# Altium PCB HEXCORE PCB.PcbDoc (part 1 of 2) (continued)
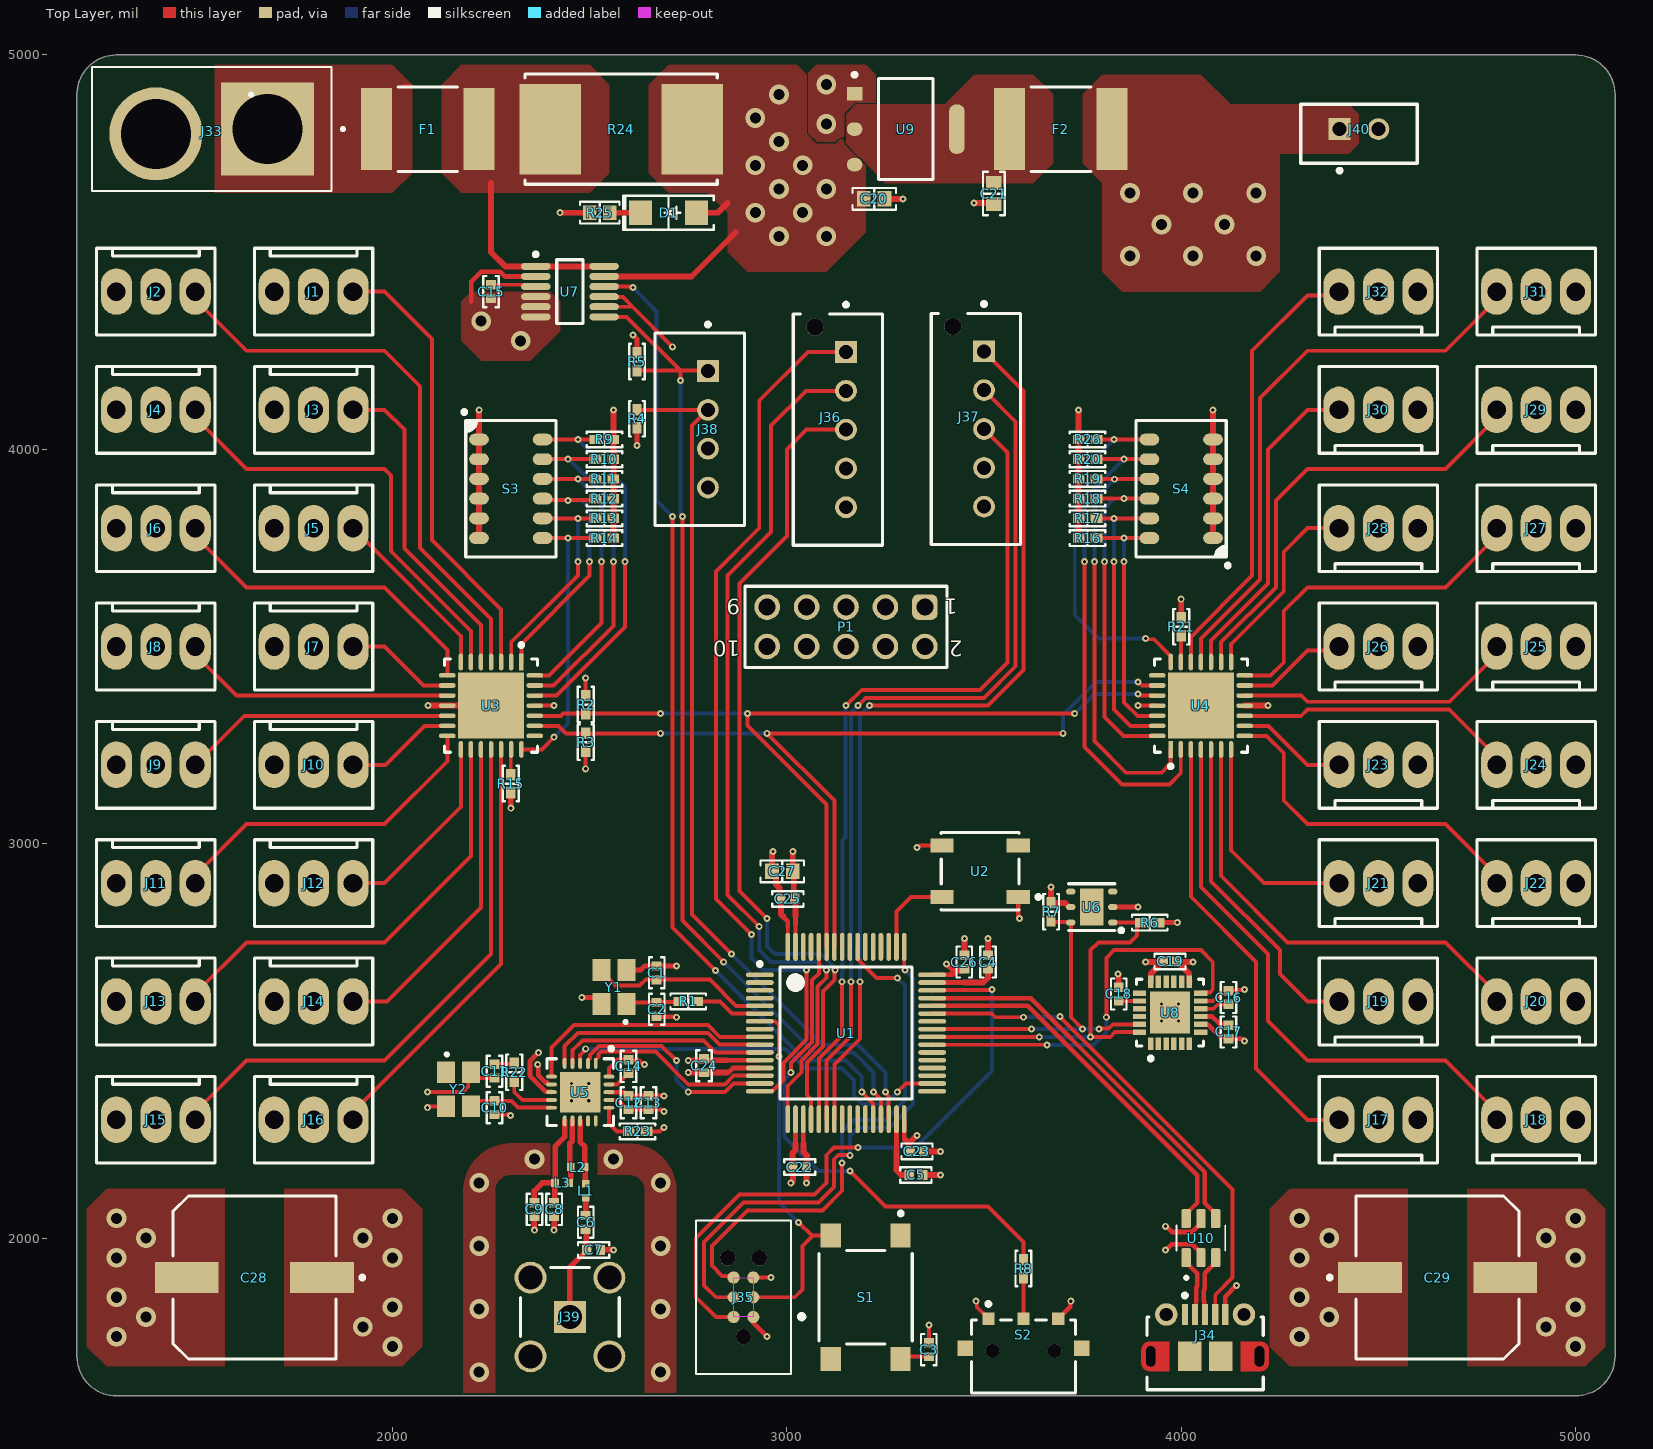
[diagram p0: Top Layer view]
## Components (designator, comment, footprint, x,y, rotation, side; value= is the part's Value field where it differs from the comment)
C1 "14p" "CAP 0402_1005" 2670,2672.68 r90 top
C2 "14p" "CAP 0402_1005" 2670,2580 r270 top
C3 "100n" "CAP 0402_1005" 3360,1717.32 r90 top
C4 "2n2" "CAP 0402_1005" 3510,2700 r270 top
C5 "2n2" "CAP 0402_1005" 3327.32,2160 r180 top
C6 "1p5" "CAP 0402_1005" 2490,2040 r90 top
C7 "1p" "CAP 0402_1005" 2510,1970 r180 top
C8 "2n2" "CAP 0402_1005" 2410,2072.68 r90 top
C9 "4p7" "CAP 0402_1005" 2360,2072.68 r90 top
C10 "14p" "CAP 0402_1005" 2258.83,2330.63 r270 top
C11 "14p" "CAP 0402_1005" 2258.83,2423.31 r270 top
C12 "10n" "CAP 0402_1005" 2598.83,2343.31 r90 top
C13 "1n" "CAP 0402_1005" 2648.83,2343.31 r90 top
C14 "33n" "CAP 0402_1005" 2598.83,2435.28 r270 top
C15 "100n" "CAP 0402_1005" 2250,4400 r90 top
C16 "100n" "CAP 0402_1005" 4120,2610 r270 top
C17 "10n" "CAP 0402_1005" 4120,2522.68 r270 top
C18 "2.2n" "CAP 0402_1005" 3841.65,2618.98 r270 top
C19 "100n" "CAP 0402_1005" 3971.65,2701.65 r0 top
C20 "22u" "CAP 0603_1608" 3221.57,4635 r180 top
C21 "22u" "CAP 0603_1608" 3525,4648.43 r90 top
C22 "100n" "CAP 0402_1005" 3032.68,2180 r0 top
C23 "100n" "CAP 0402_1005" 3330,2220 r180 top
C24 "100n" "CAP 0402_1005" 2790,2437.32 r270 top
C25 "100n" "CAP 0402_1005" 3002.68,2860 r180 top
C26 "100n" "CAP 0402_1005" 3450,2700 r270 top
C27 "10u" "CAP 0603_1608" 2988.43,2930 r180 top
C28 "EEE-1AA102P" FP-SG-MFG 1650,1900 r180 top
C29 "EEE-1AA102P" FP-SG-MFG 4650,1900 r0 top
D1 "Yellow" "LED 1206_3216 YELLOW" 2700,4600 r180 top
F1 "TLC-LSMD300" FP-2920L-MFG 2089.37,4812.01 r180 top value=0.015-0.048Ω
F2 "TLC-LSMD050" FP-2920L-MFG 3695,4812.01 r180 top value=0.015-0.048Ω
J1 "0022272031" "MOLEX KK 0022272031" 1800,4400 r180 top
J2 "0022272031" "MOLEX KK 0022272031" 1400,4400 r180 top
J3 "0022272031" "MOLEX KK 0022272031" 1800,4100 r180 top
J4 "0022272031" "MOLEX KK 0022272031" 1400,4100 r180 top
J5 "0022272031" "MOLEX KK 0022272031" 1800,3800 r180 top
J6 "0022272031" "MOLEX KK 0022272031" 1400,3800 r180 top
J7 "0022272031" "MOLEX KK 0022272031" 1800,3500 r180 top
J8 "0022272031" "MOLEX KK 0022272031" 1400,3500 r180 top
J9 "0022272031" "MOLEX KK 0022272031" 1400,3200 r180 top
J10 "0022272031" "MOLEX KK 0022272031" 1800,3200 r180 top
J11 "0022272031" "MOLEX KK 0022272031" 1400,2900 r180 top
J12 "0022272031" "MOLEX KK 0022272031" 1800,2900 r180 top
J13 "0022272031" "MOLEX KK 0022272031" 1400,2600 r180 top
J14 "0022272031" "MOLEX KK 0022272031" 1800,2600 r180 top
J15 "0022272031" "MOLEX KK 0022272031" 1400,2300 r180 top
J16 "0022272031" "MOLEX KK 0022272031" 1800,2300 r180 top
J17 "0022272031" "MOLEX KK 0022272031" 4500,2300 r0 top
J18 "0022272031" "MOLEX KK 0022272031" 4900,2300 r0 top
J19 "0022272031" "MOLEX KK 0022272031" 4500,2600 r0 top
J20 "0022272031" "MOLEX KK 0022272031" 4900,2600 r0 top
J21 "0022272031" "MOLEX KK 0022272031" 4500,2900 r0 top
J22 "0022272031" "MOLEX KK 0022272031" 4900,2900 r0 top
J23 "0022272031" "MOLEX KK 0022272031" 4500,3200 r0 top
J24 "0022272031" "MOLEX KK 0022272031" 4900,3200 r0 top
J25 "0022272031" "MOLEX KK 0022272031" 4900,3500 r0 top
J26 "0022272031" "MOLEX KK 0022272031" 4500,3500 r0 top
J27 "0022272031" "MOLEX KK 0022272031" 4900,3800 r0 top
J28 "0022272031" "MOLEX KK 0022272031" 4500,3800 r0 top
J29 "0022272031" "MOLEX KK 0022272031" 4900,4100 r0 top
J30 "0022272031" "MOLEX KK 0022272031" 4500,4100 r0 top
J31 "0022272031" "MOLEX KK 0022272031" 4900,4400 r0 top
J32 "0022272031" "MOLEX KK 0022272031" 4500,4400 r0 top
J33 "XT60" AMASS_XT60PB-M 1541.73,4812.01 r180 top
J34 "105017-0001" USB-MICRO-B_V 4060.63,1753.15 r0 top
J35 "TC2030-IDC-NL" TAG_TC2030-IDC-NL 2890,1850 r90 top
J36 "B5B-XH-AM(LF)(SN)" FP-B5B-XH-AM_LF_SN-MFG 3129.33,4050 r90 top
J37 "B5B-XH-AM(LF)(SN)" FP-B5B-XH-AM_LF_SN-MFG 3479.33,4051.57 r90 top
J38 "B4B-XH-A(LF)(SN)" FP-B4B-XH-A_LF_SN-MFG 2779.33,4050.79 r90 top
J39 "731000114" MOLX-731000114_V 2450,1800 r90 top
J40 "B2B-EH-A(LF)(SN)" FP-B2B-EH-A_LF_SN-MFG 4450.79,4800.2 r0 top
L1 "3n9" WE-TCI_0402 2490,2120 r270 top
L2 "8n2" WE-TCI_0402 2470,2180 r0 top
L3 "2n7" WE-TCI_0402 2430,2140 r180 top
P1 "61301021121" 61301021121 3150,3550 r180 top
R1 "0R" "RES 0402_1005" 2750,2600 r180 top
R2 "2K2" "RES 0402_1005" 2490,3352.64 r270 top
R3 "2K2" "RES 0402_1005" 2490,3257.36 r270 top
R4 "2K2" "RES 0402_1005" 2620,4077.36 r90 top
R5 "2K2" "RES 0402_1005" 2620,4222.64 r90 top
R6 "2K2" "RES 0402_1005" 3920,2800 r180 top
R7 "2K2" "RES 0402_1005" 3670,2827.36 r90 top
R8 "10K" "RES 0402_1005" 3600,1922.64 r270 top
R9 "10K" "RES 0402_1005" 2537.64,4025 r0 top
R10 "10K" "RES 0402_1005" 2537.64,3975 r0 top
R11 "10K" "RES 0402_1005" 2537.64,3925 r0 top
R12 "10K" "RES 0402_1005" 2537.64,3875 r0 top
R13 "10K" "RES 0402_1005" 2537.64,3825 r0 top
R14 "10K" "RES 0402_1005" 2537.64,3775 r0 top
R15 "10K" "RES 0402_1005" 2300,3152.36 r270 top
R16 "10K" "RES 0402_1005" 3762.36,3775 r180 top
R17 "10K" "RES 0402_1005" 3762.36,3825 r180 top
R18 "10K" "RES 0402_1005" 3762.36,3875 r180 top
R19 "10K" "RES 0402_1005" 3762.36,3925 r180 top
R20 "10K" "RES 0402_1005" 3762.36,3975 r180 top
R21 "10K" "RES 0402_1005" 4000,3550 r90 top
R22 "0R" "RES 0402_1005" 2308.83,2420.63 r270 top
R23 "22K" "RES 0402_1005" 2621.47,2270.63 r0 top
R24 "WSR3R0200FEA" FP-WSR3-MFG 2580,4812.01 r180 top
R25 "1K8" "RES 0603_1608" 2525.59,4600 r180 top
R26 "10K" "RES 0402_1005" 3762.36,4025 r180 top
S1 "PTS645SM43SMTR92LFS" FP-PTS645SM43SMTR92LFS-MFG 3200,1850 r270 top
S2 "JS102000SAQN" FP-JS102000SAQN-MFG 3600,1700 r0 top
S3 "218-6LPST" "CTS 218-6LPJ" 2300,3900 r0 top
S4 "218-6LPST" "CTS 218-6LPJ" 4000,3900 r180 top
U1 "STM32F405RGT6" STM-LQFP64_N 3150,2520 r0 top
U2 "1655" ADA-RGB-1655_V 3490,2930 r180 top
U3 "PCA9685BS,118" FP-SOT788-1-IPC_B 2250,3350 r270 top
U4 "PCA9685BS,118" FP-SOT788-1-IPC_B 4050,3350 r90 top
U5 "NRF24L01P-T" NRSC-QFN-20_L 2476,2370 r270 top
U6 "HPP845E031R4" "TE HPP845E031R4" 3773.15,2839.37 r180 top
U7 "LTC2945CMS#PBF" LT-MS-12_M 2450,4400 r0 top
U8 "MPU-6050" IS-QFN-24_V 3971.65,2571.65 r90 top
U9 "AMS1117-3.3" FP-AMS1117-IPC_C 3301.57,4812.01 r0 top
U10 "USBLC6-2SC6" SOT95P280X145-6N 4050,2000 r90 top
Y1 "830108207109" WE-XTAL_CFPX-180 2561.5,2636.69 r90 top
Y2 "830108207109" WE-XTAL_CFPX-180 2167.34,2377.32 r270 top

## Footprints (in the part's own frame and the unit in brackets; to place one, negate y for a bottom-side part, rotate by r counter-clockwise, add the part's x,y. Pads: shape width x height; smd on the part's side, far side on the other; paste and mask are expansions set on the pad)
61301021121 [mm] "Pin Header, pitch 2.54 mm, THT, Vertical, dual row, 10p"
  rrect50% 1.65x1.65 hole 1.1: 1(-5.08,-1.27)
  round 1.65 hole 1.1: 2(-5.08,1.27) 3(-2.54,-1.27) 4(-2.54,1.27) 5(0,-1.27) 6(0,1.27) 7(2.54,-1.27) 8(2.54,1.27) 9(5.08,-1.27) 10(5.08,1.27)
  silkscreen extent -6.5,-2.62 6.5,2.62, body extent -6.35,-2.54 6.35,2.54, height 8.59
ADA-RGB-1655_V [mm] "SMD, 4-Leads, Body 5x5mm"
  rect 1.5x0.9 smd: 1(-2.45,1.65) 2(-2.45,-1.65) 3(2.45,-1.65) 4(2.45,1.65)
  silkscreen extent -3.88,-2.5 2.5,2.5, body extent -2.7,-2.5 2.7,2.5, height 1.68
AMASS_XT60PB-M [mm]
  rect 6x6 / inner round 6 / far side rect 6x6 hole 4.5: 1(-3.6,0)
  round 6 hole 4.5: 2(3.6,0.305)
  silkscreen extent -8.55,-4 7.7,4, body extent -7.75,-4.05 7.75,4.05, height 16
"CAP 0402_1005" [mm] "Chip Capacitor, 2-Leads, Body 1.02x0.51mm, IPC Medium Density"
  rect 0.6x0.64 smd: 1(-0.44,0) 2(0.44,0)
  silkscreen extent -1,-0.5 1,0.5, body extent -0.5,-0.26 0.5,0.26, height 0.52
"CAP 0603_1608" [mm] "Chip Capacitor, 2-Leads, Body 1.60x0.80mm, IPC Medium Density"
  rect 0.9x1 smd: 1(-0.675,0) 2(0.675,0)
  silkscreen extent -1.4,-0.7 1.4,0.7, body extent -0.8,-0.41 0.8,0.41, height 0.82
"CTS 218-6LPJ" [mm] "DIP, 4 POS, Body 6.25x6.05mm, Pitch 1.27mm, IPC Medium Density"
  oval 1.27x0.76 smd: 1(-2.05,3.175) 2(-2.05,1.905) 3(-2.05,0.635) 4(-2.05,-0.635) 5(-2.05,-1.905) 6(-2.05,-3.175) 7(2.05,-3.175) 8(2.05,-1.905) 9(2.05,-0.635) 10(2.05,0.635) 11(2.05,1.905) 12(2.05,3.175)
  silkscreen extent -3.12,-4.39 2.9,5.06, body extent -3.15,-4.4 3.15,4.39, height 2.71
FP-2920L-MFG [mm]
  rect 2x5.3 smd paste+0 mask+0: 1(-3.3,0) 2(3.3,0)
  silkscreen extent -1.92,-2.72 1.92,2.72, body extent -4.4,-2.82 4.4,2.82, height 0.25
FP-AMS1117-IPC_C [mm]
  rect 1.004x0.872 smd paste+0 mask+0: 1(-3.295,2.29)
  rrect100% 1.004x0.872 smd paste+0 mask+0: 2(-3.295,0) 3(-3.295,-2.29)
  rrect87% 1.004x3.182 smd paste+0 mask+0: 4(3.295,0)
  silkscreen extent -3.42,-3.25 1.75,3.62, body extent -3.9,-3.35 3.9,3.35, height 0.25
FP-B2B-EH-A_LF_SN-MFG [mm]
  rect 1.4x1.4 hole 0.9 paste-1000 mask+0: 1(-1.25,0.3)
  round 1.4 hole 0.9 paste-1000 mask+0: 2(1.25,0.3)
  silkscreen extent -3.75,-2.5 3.75,1.9, body extent -3.85,-2 3.85,2, height 0.25
FP-B4B-XH-A_LF_SN-MFG [mm]
  rect 1.4x1.4 hole 0.9 paste-1000 mask+0: 1(3.75,-0.525)
  round 1.4 hole 0.9 paste-1000 mask+0: 2(1.25,-0.525) 3(-1.25,-0.525) 4(-3.75,-0.525)
  silkscreen extent -6.2,-2.88 6.87,2.88, body extent -6.3,-2.98 6.3,2.98, height 0.25
FP-B5B-XH-AM_LF_SN-MFG [mm]
  rect 1.4x1.4 hole 0.9 paste-1000 mask+0: 1(5,-0.525)
  round 1.4 hole 0.9 paste-1000 mask+0: 2(2.5,-0.525) 3(0,-0.525) 4(-2.5,-0.525) 5(-5,-0.525)
  round 1.1 hole 1.1 unplated paste-1000 mask+0: ""(6.6,1.475)
  silkscreen extent -7.45,-2.88 8.17,2.88, body extent -7.55,-2.98 7.55,2.98, height 0.25
FP-JS102000SAQN-MFG [mm]
  rect 0.8x0.8 smd paste+0 mask+0: 1(-2.25,2.43) 2(0,2.43) 3(2.25,2.43)
  rect 1x1 smd paste+0 mask+0: 4(-3.75,0.53) 5(3.75,0.53)
  round 0.9 hole 0.9 unplated paste-1000 mask+0: ""(-2,0.35) ""(2,0.35)
  silkscreen extent -3.35,-2.35 3.35,3.5, body extent -4.35,-2.45 4.35,2.93, height 0.25
FP-PTS645SM43SMTR92LFS-MFG [mm]
  rect 1.55x1.3 smd paste+0 mask+0: 1(-3.975,2.25) 2(3.975,2.25) 3(-3.975,-2.25) 4(3.975,-2.25)
  silkscreen extent -5.52,-3 3,3, body extent -4.85,-3.1 4.85,3.1, height 0.25
FP-SG-MFG [mm]
  rect 4.1x2 smd paste+0 mask+0: 1(-4.35,0) 2(4.35,0)
  silkscreen extent -7.07,-5.25 5.25,5.25, body extent -6.65,-5.5 6.65,5.5, height 0.25
FP-SOT788-1-IPC_B [mm]
  rect 1.081x0.292 smd paste+0 mask+0: 1(-2.816,1.95)
  rrect100% 1.081x0.292 smd paste+0 mask+0: 2(-2.816,1.3) 3(-2.816,0.65) 4(-2.816,0) 5(-2.816,-0.65) 6(-2.816,-1.3) 7(-2.816,-1.95) 15(2.816,-1.95) 16(2.816,-1.3) 17(2.816,-0.65) 18(2.816,0) 19(2.816,0.65) 20(2.816,1.3) 21(2.816,1.95)
  rrect100% 0.292x1.081 smd paste+0 mask+0: 8(-1.95,-2.816) 9(-1.3,-2.816) 10(-0.65,-2.816) 11(0,-2.816) 12(0.65,-2.816) 13(1.3,-2.816) 14(1.95,-2.816) 22(1.95,2.816) 23(1.3,2.816) 24(0.65,2.816) 25(0,2.816) 26(-0.65,2.816) 27(-1.3,2.816) 28(-1.95,2.816)
  rect 4.25x4.25 smd paste-1000 mask+0: 29(0,0)
  silkscreen extent -4.03,-3 3,3, body extent -3.61,-3.61 3.61,3.61, height 0.25
FP-WSR3-MFG [mm]
  rect 3.94x5.84 smd paste+0 mask+0: 1(-4.575,0) 2(4.575,0)
  silkscreen extent -6.19,-3.55 6.19,3.55, body extent -6.65,-3.65 6.65,3.65, height 0.25
IS-QFN-24_V [mm] "QFN, 24-Leads, Body 4x4mm, Pitch 0.5mm, Thermal Pad 2.7x2.6mm"
  rect 0.8x0.35 smd: 1(-2,1.25) 2(-2,0.75) 3(-2,0.25) 4(-2,-0.25) 5(-2,-0.75) 6(-2,-1.25) 13(2,-1.25) 14(2,-0.75) 15(2,-0.25) 16(2,0.25) 17(2,0.75) 18(2,1.25)
  rect 0.35x0.85 smd mask+0.102: 7(-1.25,-1.975) 8(-0.75,-1.975) 9(-0.25,-1.975) 10(0.25,-1.975) 11(0.75,-1.975) 12(1.25,-1.975) 19(1.25,1.975) 20(0.75,1.975) 21(0.25,1.975) 22(-0.25,1.975) 23(-0.75,1.975) 24(-1.25,1.975)
  rect 2.7x2.6 smd: 25(0,0)
  silkscreen extent -3.07,-2.15 2.15,2.15, body extent -2,-2 2,2, height 0.95
"LED 1206_3216 YELLOW" [mm] "Chip Diode, 2-Leads, Body 3.13x1.55mm, IPC Medium Density"
  rect 1.5x1.6 smd: 1(-1.8,0) 2(1.8,0)
  silkscreen extent -2.92,-1.1 2.92,1.1, body extent -1.6,-0.8 1.6,0.8, height 0.9
LT-MS-12_M [mm] "SOP, 12-Leads, Body 4.1x3.1mm, Pitch 0.65mm, IPC Low Density"
  oval 1.9x0.45 smd: 1(-2.2,1.625) 2(-2.2,0.975) 3(-2.2,0.325) 4(-2.2,-0.325) 5(-2.2,-0.975) 6(-2.2,-1.625) 7(2.2,-1.625) 8(2.2,-0.975) 9(2.2,-0.325) 10(2.2,0.325) 11(2.2,0.975) 12(2.2,1.625)
  silkscreen extent -2.32,-2.05 0.85,2.52, body extent -1.55,-2.05 1.55,2.05, height 1.1
"MOLEX KK 0022272031" [mm]
  oval 2x3 hole 1.2: 1(-2.54,0) 2(0,0) 3(2.54,0)
  silkscreen extent -3.81,-2.79 3.81,2.79, body extent -3.81,-2.9 3.81,2.9, height 11.7
MOLX-731000114_V [mm] "Connector, 5-Leads, Body 14.8x6.35mm, Pitch 2.54mm"
  rect 2.05x2.05 hole 1.54: 1(0,0)
  round 2.05 hole 1.54: 2(-2.54,2.54) 3(-2.54,-2.54) 4(2.54,-2.54) 5(2.54,2.54)
  silkscreen extent -1.26,-3.17 3.17,3.17, body extent -11.62,-3.17 3.18,3.18, height 9.57
NRSC-QFN-20_L [mm] "QFN, 20-Leads, Body 4x4mm, Pitch 0.5mm, Thermal Pad 2.6x2.6mm, IPC High Density"
  oval 0.7x0.25 smd: 1(-1.85,1) 2(-1.85,0.5) 3(-1.85,0) 4(-1.85,-0.5) 5(-1.85,-1) 11(1.85,-1) 12(1.85,-0.5) 13(1.85,0) 14(1.85,0.5) 15(1.85,1)
  oval 0.25x0.7 smd: 6(-1,-1.85) 7(-0.5,-1.85) 8(0,-1.85) 9(0.5,-1.85) 10(1,-1.85) 16(1,1.85) 17(0.5,1.85) 18(0,1.85) 19(-0.5,1.85) 20(-1,1.85)
  rect 2.6x2.6 smd: 21(0,0)
  silkscreen extent -2.92,-2.15 2.15,2.15, body extent -2,-2 2,2, height 0.95
"RES 0402_1005" [mm] "Chip Resistor, 2-Leads, Body 1.0x0.5mm, IPC Medium Density"
  rect 0.75x0.6 smd: 1(-0.575,0) 2(0.575,0)
  silkscreen extent -1.14,-0.51 1.14,0.51, body extent -0.5,-0.25 0.5,0.25, height 0.35
"RES 0603_1608" [mm] "Chip Resistor, 2-Leads, Body 1.60x0.80mm, IPC Medium Density"
  rect 0.85x0.95 smd: 1(-0.65,0) 2(0.65,0)
  silkscreen extent -1.27,-0.7 1.27,0.7, body extent -0.8,-0.4 0.8,0.4, height 0.45
SOT95P280X145-6N [mm]
  rrect25% 1.21x0.59 smd: 1(-1.255,0.95) 2(-1.255,0) 3(-1.255,-0.95) 4(1.255,-0.95) 5(1.255,0) 6(1.255,0.95)
  silkscreen extent -2.65,-1.57 0.81,1.57, body extent -1.4,-1.46 1.4,1.46, height 0.4
STM-LQFP64_N [mm] "Thin QFP, 64-Leads, Body 10x10mm, Pitch 0.5mm, IPC Medium Density"
  oval 1.8x0.3 smd: 1(-5.55,3.75) 2(-5.55,3.25) 3(-5.55,2.75) 4(-5.55,2.25) 5(-5.55,1.75) 6(-5.55,1.25) 7(-5.55,0.75) 8(-5.55,0.25) 9(-5.55,-0.25) 10(-5.55,-0.75) 11(-5.55,-1.25) 12(-5.55,-1.75) 13(-5.55,-2.25) 14(-5.55,-2.75) 15(-5.55,-3.25) 16(-5.55,-3.75) 33(5.55,-3.75) 34(5.55,-3.25) 35(5.55,-2.75) 36(5.55,-2.25) 37(5.55,-1.75) 38(5.55,-1.25) 39(5.55,-0.75) 40(5.55,-0.25) 41(5.55,0.25) 42(5.55,0.75) 43(5.55,1.25) 44(5.55,1.75) 45(5.55,2.25) 46(5.55,2.75) 47(5.55,3.25) 48(5.55,3.75)
  oval 0.3x1.8 smd: 17(-3.75,-5.55) 18(-3.25,-5.55) 19(-2.75,-5.55) 20(-2.25,-5.55) 21(-1.75,-5.55) 22(-1.25,-5.55) 23(-0.75,-5.55) 24(-0.25,-5.55) 25(0.25,-5.55) 26(0.75,-5.55) 27(1.25,-5.55) 28(1.75,-5.55) 29(2.25,-5.55) 30(2.75,-5.55) 31(3.25,-5.55) 32(3.75,-5.55) 49(3.75,5.55) 50(3.25,5.55) 51(2.75,5.55) 52(2.25,5.55) 53(1.75,5.55) 54(1.25,5.55) 55(0.75,5.55) 56(0.25,5.55) 57(-0.25,5.55) 58(-0.75,5.55) 59(-1.25,5.55) 60(-1.75,5.55) 61(-2.25,5.55) 62(-2.75,5.55) 63(-3.25,5.55) 64(-3.75,5.55)
  silkscreen extent -5.67,-4.25 4.25,4.57, body extent -5,-5 5,5, height 1.6
TAG_TC2030-IDC-NL [mil]
  round 30.98 smd paste-39.37: 1(-50,-25) 2(-50,25) 3(0,-25) 4(0,25) 5(50,-25) 6(50,25)
  round 39.02 hole 39.02 unplated: ""(-100,0) ""(100,-40) ""(100,40)
  Keep-Out Layer region: 50,-25.03 -50.06,-25.03 -50.06,25 50,25
  silkscreen extent -195,-154 195,120
"TE HPP845E031R4" [mm] "SMT, 6-Leads, Body 3.0x3.0mm, Pitch 1.0mm, IPC Medium Density"
  oval 0.6x0.4 smd: 1(-1.35,1) 2(-1.35,0) 3(-1.35,-1) 5(1.35,0) 6(1.35,1)
  oval 0.6x0.4 smd paste+0: 4(1.35,-1)
  rect 1.5x2.4 smd: 7(0,0)
  silkscreen extent -2.02,-1.5 1.5,1.62, body extent -1.5,-1.5 1.5,1.5, height 0.9
USB-MICRO-B_V [mm] "USB, MICRO B, Body 7.491x4.695 mm, Pitch 0.65 mm"
  rect 0.4x1.35 smd: 1(-1.3,1.35) 2(-0.65,1.35) 3(0,1.35) 4(0.65,1.35) 5(1.3,1.35)
  round 1.45 hole 0.85: 6(-2.5,1.35) 7(2.5,1.35)
  rrect50% 0x0 hole 0.6 slot 1.3 at 90 deg: 8(-3.5,-1.35) 11(3.5,-1.35)
  rect 1.5x1.9 smd: 9(-1,-1.35) 10(1,-1.35)
  Top Layer circle w0.5: c-3.6,-1.8 r0.25
  Top Layer circle w0.5: c-3.6,-0.9 r0.25
  Top Layer circle w0.5: c3.6,-1.8 r0.25
  Top Layer circle w0.5: c3.6,-0.9 r0.25
  Top Layer region: -3.6,-1.8 -3.6,-0.9 -4.1,-0.9 -4.1,-1.8
  Top Layer region: 3.6,-0.9 3.6,-1.8 4.1,-1.8 4.1,-0.9
  Top Layer region: 2.3,-0.4 2.3,-2.3 3.6,-2.3 3.6,-0.4
  Top Layer region: -2.3,-2.3 -2.3,-0.4 -3.6,-0.4 -3.6,-2.3
  silkscreen extent -3.75,-3.5 3.75,2.7, body extent -4.1,-3.9 4.1,1.5, height 2.67
WE-TCI_0402 [mm] "Thinfilm Chip Inductor, 2-leads, body 1.00x0.50mm"
  rect 0.5x0.5 smd: 1(-0.45,0) 2(0.45,0)
  body extent -0.5,-0.25 0.5,0.25, height 0.32
WE-XTAL_CFPX-180 [mm] "Quartz Crystal, size CFPX-180, body 3.4x2.7mm"
  rect 1.4x1.15 smd: 1(-1.1,-0.8) 2(1.1,-0.8) 3(1.1,0.8) 4(-1.1,0.8)
  silkscreen extent -2.35,-0.85 -2.15,-0.65, body extent -1.7,-1.35 1.7,1.35, height 0.65

## Part data
C1 C2 C10 C11: library part GJM1555C1H140GB01D, "CAP CER 14PF 50V C0G/NP0 0402", Part Number=GJM1555C1H140GB01D
C3 C15 C16 C19: library part CL05B104KP5VPNC, "CAP CER 100NF 10V X7R 0402", Part Number=CL05B104KP5VPNC
C4 C5 C18 C22 C23 C24 C25 C26: library part C0402C222J3GEC7867, "CAP CER 0402 2.2NF 25V C0G 5%", Part Number=C0402C222J3GEC7867
C6 C7 C8 C9 C12 C13: library part C0402C103K4REC7867, "CAP CER 0402 10NF 16V X7R 10%", Capacitance="10000 pF", Device Package="0402 (1005 Metric)", manufacturer=KEMET, Operating Temperature="-55°C ~ 125°C", Supplier Part Number 1=399-C0402C103K4REC7867CT-ND, Temperature Coefficient=X7R, Tolerance=±10%, Voltage - Rated=16V, Applications="ESD Protection", componentlink1description=Datasheet, componentlink1url=https://connect.kemet.com:7667/gateway/IntelliData-ComponentDocumentation/1.0/download/datasheet/C0402C103K4REC7867, componentlink2description="DigiKey Link", componentlink2url=https://www.digikey.com/en/products/detail/kemet/C0402C103K4REC7867/8643577, lastupdated="23/01/2024 8:03:47 PM", Lifecycle Status=Active, Minimum Order=1, Mounting Type="Surface Mount, MLCC", Package / Case="0402 (1005 Metric)", packaging=TapeAndReel, Part Number=C0402C103K4REC7867, Part Status=Active, partid=52124, price=0.01, series="ESD SMD Comm X7R", Size / Dimension="0.039\" L x 0.020\" W (1.00mm x 0.50mm)", Supplier 1=DigiKey, Thickness (Max)="0.022\" (0.55mm)"
C14: library part C0402C330J4RACAUTO, "CAP CER 33PF 16V X7R 0402", Capacitance="33 pF", Device Package="0402 (1005 Metric)", manufacturer=KEMET, Operating Temperature="-55°C ~ 125°C", Ratings=AEC-Q200, Supplier Part Number 1=399-13708-1-ND, Temperature Coefficient=X7R, Tolerance=±5%, Voltage - Rated=16V, Applications="Automotive, Bypass, Decoupling", componentlink1description=Datasheet, componentlink1url=https://api.kemet.com/component-edge/download/datasheet/C0402C330J4RACAUTO.pdf, componentlink2description="DigiKey Link", componentlink2url=https://www.digikey.com/en/products/detail/kemet/C0402C330J4RACAUTO/6219618, lastupdated="23/01/2024 8:04:40 PM", Lifecycle Status=Active, Minimum Order=1, Mounting Type="Surface Mount, MLCC", Package / Case="0402 (1005 Metric)", packaging=TapeAndReel, Part Number=C0402C330J4RACAUTO, Part Status=Active, partid=1721, price=0.01, series="SMD Auto X7R", Size / Dimension="0.039\" L x 0.020\" W (1.00mm x 0.50mm)", Supplier 1=DigiKey, Thickness (Max)="0.022\" (0.55mm)"
C17: library part C0402C103J5RECAUTO, "CAP CER 0402 10NF 50V X7R 5%", Part Number=C0402C103J5RECAUTO
C20 C21: library part CL10A226MPCNUBE, "CAP CER 22UF 10V X5R 0603", Part Number=CL10A226MPCNUBE
C27: library part GRM188R60J106ME47D, "CAP CER 10UF 6.3V X5R 0603", Part Number=GRM188R60J106ME47D
C28 C29: library part CMP-00287-55501125-1, "EEE-1AA102P Aluminum Electrolytic Capacitor, 1000 uF, 10 V, ± 20%, 2000 hours @ 85°C, Radial Can - SMD", Capacitance=1mF, Case/Package=Radial, Leakage Current=3µA, Max Operating Temperature=85°C, Min Operating Temperature=-40°C, Ripple Current=580mA, Tolerance=20%, Voltage=10V, Contact Plating=Tin, Diameter=10mm, Height=10.2mm, Height - Seated (Max)=10.2108mm, Lead Free="Lead Free", Length=10.5mm, Life (Hours)=2000hours, Lifecycle Status=Production, Mount="PCB, Surface Mount", NexarPartId=55501125, packaging="Cut Tape", Radiation Hardening=No, REACH SVHC=Unknown, Ripple Current (AC)=580mA, RoHS=Compliant, Schedule B="8532220020, 8532220020", Termination=SMD/SMT, Voltage Rating=10V, Voltage Rating (DC)=10V
D1: library part 5990240007F, "LED YELLOW 1206 SMD", Current - Test=20mA, Device Package="1206 (3216 Metric)", Lens Color=0.80mm, manufacturer=Dialight, Millicandela Rating=126mcd, Supplier Device Package=1206, Supplier Part Number 1=350-4363-1-ND, Voltage - Forward (Vf) (Typ)=2.1V, Color=Yellow, componentlink1description=Datasheet, componentlink1url=http://www.dialightsignalsandcomponents.com/Assets/Brochures_And_Catalogs/Indication/CBI_SMD_new/Dialight_CBI_data_599-1206_Apr2018.pdf, componentlink2description="DigiKey Link", componentlink2url=https://www.digikey.com/en/products/detail/dialight/5990240007F/9385418, Configuration=Standard, Height (Max)=0.80mm, lastupdated="27/01/2024 9:27:52 PM", Lens Size="2.00mm x 1.60mm", Lens Style="Rectangle with Flat Top", Lifecycle Status=Active, Minimum Order=1, Mounting Type="Surface Mount", Package / Case="1206 (3216 Metric)", packaging=TapeAndReel, Part Number=5990240007F, Part Status=Active, partid=1, price=0.04, series=599, Size / Dimension="3.20mm L x 1.60mm W", Supplier 1=DigiKey, Viewing Angle=140°, Wavelength - Dominant=590nm
F1 F2: library part CMP-2000-05550-2, "PTC RESET FUSE 15V 3A 2920", Ambient Temperature Range High=+85°C, Ambient Temperature Range Low=-40°C, Current Rating=40A, Hold Current=3A, manufacturer=Littelfuse, Manufacturer Part Number=2920L300/15DR, Package=2920L, Resistance=0.015-0.048Ω, Temperature="-40°C to +85°C", Trip Current=5A, Voltage Rating=15V, Automotive=No, Category=Fuse, componentlink2description=Datasheet, componentlink2url=https://m.littelfuse.com/~/media/electronics/datasheets/resettable_ptcs/littelfuse_ptc_2920l_datasheet.pdf.pdf, Device Class L1="Circuit Protection", Device Class L2="PTC Resettable Fuses", Device Class L3=unset, Digikey Description="PTC RESET FUSE 15V 3A 2920", Height=1.25mm, Lead Free=Yes, Octopart=https://octopart.com/2920l300%2F15dr-littelfuse-673797, RoHS=TRUE, Temperature Range High=+85°C, Temperature Range Low=-40°C, Trip Time=20s
J1 J2 J3 J4 J5 J6 J7 J8 J9 J10 J11 J12 J13 J14 J15 J16 J17 J18 J19 J20 J21 J22 J23 J24 J25 J26 J27 J28 J29 J30 J31 J32: "CONN HEADER VERT 3POS 2.54MM", Part Number=0022272031
J33: library part XT60_YELLOW, "Power connector; 65A; PIN: 2; Colour: yellow", Package=None, Availability="Not in stock", Check_prices=https://www.snapeda.com/parts/XT60%20YELLOW/Pololu/view-part/?ref=eda, MF=Pololu, MP="XT60 YELLOW", price=None, SnapEDA_Link=https://www.snapeda.com/parts/XT60%20YELLOW/Pololu/view-part/?ref=snap
J34: library part CMP-2000-05827-1, "Micro-USB B Receptacle, Right Angle, Bottom Mount, Surface Mount, with Solder Tabs, -30 to 85 degC, 5-Pin USB, RoHS, Tape and Reel", manufacturer=Molex, Package Description="5-Leads USB, Micro B, Body 7.5 x 5 mm, Pitch 0.65 mm", Package Reference=MICRO-B, Package Version="Rev. F, 12/2012", Standard Package=1, Voltage - Max=30V, 3D Model=105017-0001.stp, Catalog Drawings=1050170001, Category=Connectors,Interconnects, Circuits=5, Connector Type=USB-microB, Datasheet URL=http://www.molex.com/elqNow/elqRedir.htm?ref=http://www.molex.com/webdocs/datasheets/pdf/en-us/1050170001_IO_CONNECTORS.pdf, Datasheet Version=03/2016, Family=USB,DVI,HDMIConnectors, Featured Product=Micro-USBConnectorsUSBConnectors, Features=Shielded,SolderRetention, Gender=Receptacle, Ingress Protection=-, Manufacturer URL=http://www.molex.com/, Mating Products=WM17145-ND-CABLEMICROUSBBTOSTDA1.0MWM17147-ND-CABLEMICROUSBBTOSTDA2.0MWM17146-ND-CABLEMICROUSBBTOSTDA1.5M, Mounting Technology=SurfaceMount, Mounting Type=BoardCutout,SurfaceMount,RightAngle, Number of Contacts=5, Online Catalog=Molex-MicroUSB, Other Names=WM1399DKR, Package URL=http://www.molex.com/pdm_docs/sd/1050170001_sd.pdf, packaging=Digi-Reel®, PCN Assembly/Origin=ResinSupplier21/Oct/2015, RoHS Information=1050170001CertofCompliance, series=-, Specifications=-
J35: "CABLE ADAPTER 6 POS", Package=None, Availability=Unavailable, MP=TC2030-IDC-NL, price=None
J36 J37: library part CMP-17439-000304-1, "CONN HEADER VERT 5POS 2.5MM", Color=Green, Contact Resistance=20mR, Flammability Rating="UL94 V-0", Housing Color=White, Insulation Color=Natural, Max Current Rating=3A, Max Operating Temperature=85°C, Max Voltage Rating (AC)=250V, Min Operating Temperature=-25°C, Connector Type=Header, Contact Finish - Mating=TIN, Contact Material=Brass, Contact Plating=Copper, Contact Shape=Square, Contact Type="Male Pin", Depth=5.75mm, Fastening Type=Detent, Housing Material=Polyamide, Insulation Material=Nylon, Lead Free="Lead Free", Length=14.9mm, Mated Stacking Heights=9.8mm, Mount="Through Hole", Number of Positions=5, Number of Rows=1, Orientation=Straight, packaging=Bulk, Pitch=2.5mm, series=XH, Termination=Solder, Voltage Rating=250V
J38: library part CMP-17439-000250-1, "CONN HEADER VERT 4POS 2.5MM", Color=Natural, Contact Resistance=20mR, Current Rating=3A, Flammability Rating="UL94 V-0", Housing Color=White, Insulation Resistance=1GR, Max Operating Temperature=85°C, Max Voltage Rating (AC)=250V, Min Operating Temperature=-25°C, Package Quantity=500, Connector Type=Header, Contact Finish - Mating=TIN, Contact Material=Brass, Contact Plating=Tin, Contact Shape=Square, Contact Type="Male Pin", Depth=5.75mm, Fastening Type=Detent, Gender=Male, Housing Material=Polyamide, Insulation Color=Natural, Insulation Material=Nylon, Lead Free="Lead Free", Lead Pitch=2.5mm, Length=12.4mm, Mated Stacking Heights=9.8mm, Material=Polyamide, Max Current Rating=3A, Max Voltage Rating (DC)=250V, Mount="Through Hole", Number of Contacts=4, Number of Positions=4, Number of Rows=1, Orientation=Straight, packaging=Bulk, Pitch=2.5mm, REACH SVHC="No SVHC", series=XH, Termination=Solder, Voltage Rating=250V, Voltage Rating (AC)=250V, Wire/Cable Gauge=22AWG
J39: library part CMP-2000-05487-1, "SMA Right-Angle PCB Jack Receptacle, Brass Body, Gold Plated, 50 Ohm, 5-Pin THD, RoHS, Tray", manufacturer=Molex, Package Description="5-Pin Through Hole Device, Body 14.8 x 6.35 mm, Pitch 2.54 mm", Datasheet URL=http://www.molex.com/webdocs/datasheets/pdf/en-us/0731000114_RF_COAX_CONNECTORS.pdf, Datasheet Version=09/2016, Manufacturer URL=http://www.molex.com/, Mounting Technology=ThroughHole, Package Reference=731000114, Package URL=http://www.molex.com/pdm_docs/sd/731000114_sd.pdf
J40: library part CMP-17439-000026-1, "CONN HEADER VERT 2POS 2.5MM", Color=Natural, Contact Resistance=20mR, Current Rating=3A, Housing Color=White, Max Operating Temperature=85°C, Max Voltage Rating (AC)=250V, Min Operating Temperature=-25°C, Connector Type=Plug, Contact Material="Copper Alloy", Contact Mating Length=0.13inch, Contact Plating=Tin, Contact Type="Male Pin", Depth=3.8mm, Fastening Type=Detent, Gender=Male, Housing Material=Nylon, Lead Free="Lead Free", Length=7.5mm, Max Current Rating=3A, Mount="Through Hole", Number of Contacts=2, Number of Positions=2, Number of Rows=1, Orientation=Straight, packaging=Bulk, Pitch=2.5mm, series=EH, Termination=Press-Fit, Voltage Rating=250V
L1 L2 L3: library part CMP-03913-14415878-1, "744901039 Fixed Ind 3.9NH 340MA 500MOHM Sm", Case Code (Imperial)=0402, Case Code (Metric)=1005, Current Rating=340mA, DC Resistance (DCR)=370mΩ, Inductance=3.9nH, Max Operating Temperature=125°C, Min Operating Temperature=-40°C, Self Resonant Frequency=6GHz, Test Frequency=500MHz, Case/Package=0402, Composition="Thin Film", Core Material=Alumina, Height=320µm, Height - Seated (Max)=406.4µm, Length=1mm, Max DC Current=340mA, Mount="Surface Mount", NexarPartId=14415878, Number of Pins=2, packaging=Digi-Reel®, Q Factor=13, REACH SVHC=Unknown, RoHS=Compliant, Shielding=Unshielded, Termination=SMD/SMT, Weight=652.039032µg, Width=500µm
P1: library part CMP-1502-01084-2, Color=Black, Contact Resistance=20mΩ, Current Rating=3A, Flammability Rating="UL94 V-0", Insulation Resistance=1GΩ, Max Operating Temperature=105°C, Min Operating Temperature=-40°C, Operating Supply Voltage=250V, Connector Type="Male Pin", Contact Gender=Male, Contact Material=Copper, Contact Mating Length=5.9944mm, Contact Plating=Gold, Gender=Male, Height=2.54mm, Housing Material=PBT, Insulation=Insulated, Lead Pitch=2.54mm, Length=12.7mm, Mount="Through Hole", NexarPartId=18818163, Number of Contacts=10, Number of Pins=10, Number of Positions=10, Number of Rows=2, Orientation=Vertical, packaging=Bulk, Pitch=2.54mm, REACH SVHC=Unknown, RoHS=Compliant, Row Spacing=2.54mm, Termination="Through Hole", Voltage Rating=250V, Width=12.7mm
R1 R22: library part 5112, "0402 JUMPER ON TAPE AND REEL", Part Number=5112
R2 R3 R4 R5 R6 R7 R8: library part RP73PF1E10KBTD, "RES 10K OHM 0.1% 1/10W 0402", Part Number=RP73PF1E10KBTD
R9 R10 R11 R12 R13 R14 R15 R16 R17 R18 R19 R20 R21 R26: library part CPF0402B10KE, "RES SMD 10K OHM 0.1% 1/16W 0402", Part Number=CPF0402B10KE
R23: library part RC0402FR-0722K1L, "RES 22.1K OHM 1% 1/16W 0402", Device Package="0402 (1005 Metric)", manufacturer=Yageo, Operating Temperature="-55°C ~ 155°C", Power (Watts)="0.063W, 1/16W", Resistance="22.1 kOhms", Supplier Device Package=0402, Supplier Part Number 1=311-22.1KLRCT-ND, Temperature Coefficient=±100ppm/°C, Tolerance=±1%, componentlink1description=Datasheet, componentlink1url=https://www.yageo.com/upload/media/product/productsearch/datasheet/rchip/PYu-RC_Group_51_RoHS_L_10.pdf, componentlink2description="DigiKey Link", componentlink2url=https://www.digikey.com/en/products/detail/yageo/RC0402FR-0722K1L/726563, Composition="Thick Film", Features="Moisture Resistant", Height - Seated (Max)="0.016\" (0.40mm)", lastupdated="23/01/2024 8:29:15 PM", Lifecycle Status=Active, Minimum Order=1, Number of Terminations=2, Package / Case="0402 (1005 Metric)", packaging=CutTape, Part Number=RC0402FR-0722K1L, Part Status=Active, partid=2641, price=0.01, series=RC_L, Size / Dimension="0.039\" L x 0.020\" W (1.00mm x 0.50mm)", Supplier 1=DigiKey
R24: library part CMP-00030-39853526-1, "WSR3R0200FEA Res Metal Strip 4527 0.02 Ohm 1% 3W ±75ppm/°C Molded SMD SMD Embossed Plastic T/R", Case Code (Imperial)=4527, Max Operating Temperature=275°C, Max Power Dissipation=3W, Min Operating Temperature=-65°C, Resistance=20mΩ, Temperature Coefficient=75ppm/°C, Tolerance=1%, Voltage Rating (DC)=240mV, Case/Package=4527, Composition="Metal Element", Contact Plating="Silver, Tin", Depth=6.98mm, Features="Automotive AEC-Q200, Moisture Resistant", Height=2.41mm, Lead Free="Lead Free", Length=11.56mm, Military Standard=Not, NexarPartId=39853526, Number of Terminations=2, packaging="Cut Tape", Power Rating=3W, Radiation Hardening=No, REACH SVHC="No SVHC", RoHS=Compliant, Schedule B="8533210045, 8533210045", Termination=SMD/SMT, Width=6.98mm
R25: library part RMCF0603JT1K80, "RES 1.8K OHM 5% 1/10W 0603", Device Package="0603 (1608 Metric)", manufacturer="Stackpole Electronics Inc", Operating Temperature="-55°C ~ 155°C", Power (Watts)="0.1W, 1/10W", Ratings=AEC-Q200, Resistance="1.8 kOhms", Supplier Device Package=0603, Supplier Part Number 1=RMCF0603JT1K80CT-ND, Temperature Coefficient=±200ppm/°C, Tolerance=±5%, componentlink1description=Datasheet, componentlink1url=https://www.seielect.com/catalog/sei-rmcf_rmcp.pdf, componentlink2description="DigiKey Link", componentlink2url=https://www.digikey.com/en/products/detail/stackpole-electronics-inc/RMCF0603JT1K80/1758097, Composition="Thick Film", Features="Automotive AEC-Q200", Height - Seated (Max)="0.022\" (0.55mm)", lastupdated="27/01/2024 8:36:44 PM", Lifecycle Status=Active, Minimum Order=1, Number of Terminations=2, Package / Case="0603 (1608 Metric)", packaging=CutTape, Part Number=RMCF0603JT1K80, Part Status=Active, partid=5907, price=0.01, series=RMCF, Size / Dimension="0.061\" L x 0.031\" W (1.55mm x 0.80mm)", Supplier 1=DigiKey
S1: library part CMP-2000-05160-2, "SWITCH TACTILE SPST-NO 0.05A 12V", Case/Package=SMD/SMT, Color=Black, Contact Resistance=100mR, Current Rating=50mA, Max Operating Temperature=60°C, Max Voltage Rating (DC)=12V, Min Operating Temperature=-20°C, Operating Force=160gf, Package Quantity=1, Actuator Length=0.85mm, Actuator Material=Nylon, Actuator Type=Standard, Contact Material=Silver, Contact Plating=Silver, Depth=9mm, Illumination Type=Non-Illuminated, Lead Free="Lead Free", Length=6mm, Max Current Rating=50mA, Mechanical Life=100000Cycles, Mount="Surface Mount", Orientation=Straight, packaging="Tape and Reel", REACH SVHC="No SVHC", Switch Function=Off-Mom, Termination="Gull Wing", Throw Configuration=SPST, Voltage Rating (DC)=12V
S2: library part CMP-10038-000025-1, "SWITCH SLIDE SPDT 1MA 5V", Actuator Color=Black, Case/Package=SMD/SMT, Contact Current Rating=1mA, Contact Resistance=70mR, Flammability Rating="UL94 V-2", Max Operating Temperature=85°C, Max Voltage Rating (DC)=5V, Min Operating Temperature=-20°C, Package Quantity=1, Actuator Length=1.5mm, Actuator Material=Nylon, Actuator Type=Standard, Contact Material="Copper Alloy", Contact Plating=Silver, Current Rating=1mA, Depth=4.82mm, Electrical Life=15000Cycles, Housing Material=Nylon, Length=7.8mm, Max Current Rating=1mA, Mount="Surface Mount", Orientation="Right Angle", packaging="Tape and Reel", Radiation Hardening=No, REACH SVHC="No SVHC", RoHS Compliant=Yes, series=JS, Switch Function=On-On, Switch Travel=1.5mm, Termination="Gull Wing", Throw Configuration=SPDT, Voltage Rating (DC)=5V
S3 S4: "SWITCH SLIDE DIP SPST 25MA 24V", Part Number=218-6LPST
U1: library part CMP-0243-00019-3, "ARM Cortex-M4 32-bit MCU+FPU, 210 DMIPS, 1024 kB Flash, 192 kB Internal RAM, 51 I/Os, 64-pin LQFP, -40 to 85 degC, Tray", I/Os (High Current)=51, manufacturer=STMicroelectronics, Operating Frequency(F) (Processor speed) (MHz)=168, Supply Voltage(Vcc) max (V)=3.6, Supply Voltage(Vcc) min (V)=1.8, componentlink1description="Manufacturer URL", componentlink1url=http://www.st.com/web/en/home.html, componentlink2description=Datasheet, componentlink2url=http://www.st.com/st-web-ui/static/active/en/resource/technical/document/datasheet/DM00037051.pdf, ComponentLink3Description="Package Specification", ComponentLink3URL=http://www.st.com/st-web-ui/static/active/en/resource/technical/document/datasheet/DM00037051.pdf, Core="ARM Cortex-M4", D/A Converter=2x12-bit, DatasheetVersion="Rev. 4", FLASH Size (Prog) (kB)=1024, Internal RAM Size (kB)=192, Mounting Technology="Surface Mount", PackageDescription="64-Pin Low Profile Quad Flat Package, 10 x 10 mm Body, 0.5 mm Pitch", PackageReference=LQFP64, PackageVersion="Rev. 4, 06/2013", Packing=Tray, PartNumber=STM32F405RGT6
U2: library part CMP-2000-05026-1, "Intelligent Control LED Integrated Light Source, 3.5 to 5.3 V, -25 to 80 degC, 4-Pin SMD, RoHS, Tape and Reel", Color=Red,Green,Blue(RGB), manufacturer=Adafruit-Industries-LLC, Package Description="4-Pin Surface Mount Device, Body 5 x 5 mm", Category=Optoelectronics, Configuration=Discrete, Controller Type=-, Datasheet URL=http://datasheet.octopart.com/ADA1655-Adafruit-Industries-datasheet-32028139.pdf, Datasheet Version=May-13, Family=Addressable,Specialty, Interface=-, Manufacturer URL=https://www.adafruit.com/, Mounting Type=SurfaceMount, Number of LEDs=10, Package Reference=1655, series=Neopixel, Size / Dimension=5.00mmLx5.00mmW, Utilized LED=WS2812(5050)
U3 U4: library part CMP-1595-00001-4, "IC LED DRVR LIN DIM 25MA 28HVQFN", Case/Package=VQFN, Frequency=50MHz, Max Operating Temperature=85°C, Min Operating Temperature=-40°C, Output Voltage=5.5V, Package Quantity=4000, Contact Plating=Gold, Mount="Surface Mount", Number of Outputs=16, Number of Pins=28, packaging="Tape and Reel", Radiation Hardening=No, RoHS Compliant=Yes
U5: library part CMP-2000-06859-1, "Single Chip Transceiver, 2.4 GHz, 60 mW, 1.9 to 3.6 V, -40 to 85 degC, 20-Pin QFN, RoHS, Tray", Current - Receiving=12.6mA~13.5mA, Current - Transmitting=7mA~11.3mA, Frequency=2.4GHz, manufacturer="Nordic Semiconductor", Operating Temperature=-40°C~85°C, Package / Case=20-VFQFNExposedPad, Package Description="20-Pin Quad Flat No-lead Package, Body 4 x 4 mm, Pitch 0.5 mm", Package Reference=QFN20, Power - Output=0dBm, Standard Package=490, Voltage - Supply=1.9V~3.6V, Category=RF/IFandRFID, Data Rate (Max)=2Mbps, Datasheet URL=http://www.nordicsemi.com/eng/content/download/2726/34069/file/nRF24L01P_Product_Specification_1_0.pdf, Datasheet Version="Rev. 1.0, 09/2008", Design Resources=DevelopmentToolSelector, Family=RFTransceiverICs, For Use With=1490-1002-ND-KITEVALUATIONNRF24L01P1568-1295-ND-SPARKFUNTRANSCEIVERBREAKOUT-1568-1296-ND-SPARKFUNTRANSCEIVERBREAKOUT-1471-1410-ND-DEVBOARDNRFSCLICKNRF24L01P-MODULE-PCB-ND-KITEVALNRF24L01+PCBANTENNANRF24L01P-MODULE-SMA-ND-KITEVALNRF24L01+SMACONNNRF24L01P-UPGRADE-ND-UPGRADE2PCB/1SMANRF24L01103990038-ND-DEVDUINOSENSORNODEV1.3103990053-ND-DEVDUINOSENSORNODEV2(ATMEGA103990074-ND-DEVDUINOSENSORNODE106990026-ND-ENERGYMONITORSHIELDV2113990088-ND-WIRELESSGATESHIELD113990095-ND-DEVDUINOSENSORNODEV3(ATMEGA106030001-ND-ENERGYMONITORSHIELD1597-1361-ND-DEVDUINOSENSORNODEV2.2(ATMEG105990030-ND-RGBWSTRIPWIRELESSSHIELDV1.0, GPIO=-, Manufacturer URL=http://www.nordicsemi.com/eng/Products/, Memory Size=-, Modulation=GFSK, Mounting Technology=SurfaceMount, Online Catalog=nRF24L01+, Other Names=1490-1019, packaging=Tray, Protocol=-, RF Family/Standard=GeneralISM>1GHZ, Sensitivity=-94dBm, Serial Interfaces=SPI, series=-, Type=TxRxOnly
U6: "SENSOR HUMID/TEMP 3V I2C 2% SMD", Part Number=HPP845E031R4
U7: library part CMP-0482-00795-1, "Wide Range I2C Power Monitor, 12-pin SOP (MS-12), 0 to 70 degC, Pb-Free", manufacturer="Linear Technology", componentlink1description="Manufacturer URL", componentlink1url=http://www.linear.com/, componentlink2description=Datasheet, componentlink2url=http://cds.linear.com/docs/en/datasheet/2945f.pdf, ComponentLink3Description="Package Specification", ComponentLink3URL=http://cds.linear.com/docs/en/packaging/05081668_A_MS12.pdf, Mounting Technology="Surface Mount", Number of Supplies(#)=1, PackageDescription="12-Pin Plastic MSOP, Body 4.039 x 3 mm, Pitch 0.65 mm", PackageReference=MS-12, PackageVersion="Rev. A, 05/2013", PartNumber=LTC2945CMS#PBF, RoHS=TRUE
U8: library part CMP-1753-00002-2, "3-Axis Gyroscope, Accelerometer and a Digital Motion Processor(TM) (DMP), 2.375 to 3.46 V, -40 to 85 degC, 24-Pin QFN, RoHS, Tape and Reel", manufacturer=InvenSense, Standard Package=5,000, Category=Sensors,Transducers, Datasheet URL=http://datasheet.octopart.com/MPU-6050-InvenSense-datasheet-14421344.pdf, Datasheet Version="Rev. 3.3, 05/2012", Dynamic Catalog=MPU-6000™Series, Family=Multifunction, Featured Product=MPU-60506-Axis,IntegratedI²CSolution, Manufacturer URL=http://www.invensense.com/, Online Catalog=MPU-6000™Series, Other Names="1428-1007-2 / MPU6050", Output Type=Digital, Sensor Type=MotionTracking, Unit PriceUSD=Digital
U9: library part CMP-209535-000001-1, "LDO Voltage Regulators 1A, 3.3V", Dropout Voltage=1.1V, manufacturer="Advanced Monolithic Systems", Max Junction Temp=+125°C, Max Power Dissipation=1.2W, Max Supply Voltage=15V, Nominal Supply Current=5mA, Output Current=1A, Output Voltage=3.3V, Package=AMS1117, Temperature="-40°C to +125°C", Temperature Range Low=-40°C, Automotive=No, Category=IC, componentlink2description=Datasheet, componentlink2url=http://www.advanced-monolithic.com/pdf/ds1117.pdf, Device Class L1="Integrated Circuits (ICs)", Device Class L2="Power Management ICs", Device Class L3="Voltage Regulators - Linear", Height=1.8mm, Ipc Land Pattern Name=SOT229P700X180-4, Lead Free=Yes, Manufacturer Part Number=AMS1117-3.3, Number of Outputs=1, Octopart=https://octopart.com/ams1117-3.3-advanced+monolithic+systems-25899300, Output Type=Fixed, RoHS=TRUE, Standoff Height=0.64mm, Temperature Range High=+125°C
U10: "17V Clamp 5A (8/20Âµs) Ipp Tvs Diode Surface Mount SOT-23-6", Package="SOT-23-6 STMicroelectronics", Availability="In Stock", Check_prices=https://www.snapeda.com/parts/USBLC6-2SC6/STMicroelectronics/view-part/?ref=eda, MF=STMicroelectronics, MP=USBLC6-2SC6, price=None, Purchase-URL=https://pricing.snapeda.com/search/part/USBLC6-2SC6/?ref=eda, SnapEDA_Link=https://www.snapeda.com/parts/USBLC6-2SC6/STMicroelectronics/view-part/?ref=snap
Y1 Y2: library part CMP-03913-116855757-1, "830108207109 WE-XTAL Quartz Crystal", Frequency=16MHz, Max Operating Temperature=85°C, Min Operating Temperature=-40°C, Height=800µm, Length=3.2mm, NexarPartId=116855757, Width=2.5mm

## Via types
v1: diameter 17.72, hole 7.87, Top Layer to Bottom Layer, 140 vias
v2: diameter 50, hole 28, Top Layer to Bottom Layer, 57 vias
v3: diameter 19.68, hole 7.87, Top Layer to Bottom Layer, 8 vias

## Nets (pads, with @x,y where several pads share a name; then routed paths per layer and width w, separated by ;. In a path a pad name is that pad's centre, name@x,y a point inside that pad or via, vN(x,y) a via of type N, cw(c..) or ccw(c..) an arc to the next point about the centre after c; other vN are vias at no path point)
1A0: R9.1 S3.12 U3.26 | length 960.4
  Top Layer w10: U3.26@2360.85,3375.59 2415.59,3375.59 2590,3550 v1(2590,3715) ; S3.12@2380.71,4025 v1(2470,4025) R9.1@2515,4025
  Bottom Layer w10: v1(2470,4025) 2590,3905 v1(2590,3715)
1A1: R10.1 S3.11 U3.27 | length 867.3
  Top Layer w10: U3.27@2360.85,3401.18 2408.82,3401.18 2560,3552.36 v1(2560,3715) ; S3.11@2380.71,3975 v1(2445,3975) R10.1@2515,3975
  Bottom Layer w10: v1(2445,3975) 2446.67,3975 2560,3861.67 v1(2560,3715)
1A2: R11.1 S3.10 U3.28 | length 748.5
  Top Layer w10: U3.28@2360.85,3426.77 2396.77,3426.77 2530,3560 v1(2530,3715) ; S3.10@2380.71,3925 v1(2470,3925) R11.1@2515,3925
  Bottom Layer w10: v1(2470,3925) 2530,3865 v1(2530,3715)
1A3: R12.1 S3.9 U3.1 | length 663.3
  Top Layer w10: U3.1@2326.77,3460.85 2326.77,3506.77 2500,3680 v1(2500,3715) ; S3.9@2380,3875 S3.9@2380.71,3875 2384.23,3871.48 2443.52,3871.48 v1(2445,3870) 2446.48,3871.48 2511.48,3871.48 R12.1@2515,3875
  Bottom Layer w10: v1(2445,3870) 2480,3870 2500,3850 v1(2500,3715)
1A4: R13.1 S3.8 U3.2 | length 568.4
  Top Layer w10: U3.2@2301.18,3460.85 2301.18,3511.18 2470,3680 v1(2470,3715) ; S3.8@2380.71,3825 v1(2470,3825) R13.1@2515,3825
  Bottom Layer w10: v1(2470,3715) v1(2470,3825)
1A5: R14.1 S3.7 U3.21 | length 749.8
  Top Layer w10: U3.21@2326.77,3239.15 2379.15,3239.15 v1(2410,3270) ; S3.7@2380.71,3775 v1(2445,3775) R14.1@2515,3775
  Bottom Layer w10: v1(2410,3270) 2445,3305 v1(2445,3775)
1SERVO0: J1.1 U3.3 | length 1141.6
  Top Layer w10: J1.1@1900,4400 1980,4400 2100,4280 2100,3770 2275.59,3594.41 U3.3@2275.59,3460.85
1SERVO1: J2.1 U3.4 | length 1454.7
  Top Layer w10: J2.1@1500,4400 1500,4380.31 1630.32,4250 1980,4250 2070,4160 2070,3750 2250,3570 U3.4@2250,3460.85
1SERVO2: J3.1 U3.5 | length 820.4
  Top Layer w10: J3.1@1900,4100 1980,4100 2030,4050 2030,3748.82 2224.41,3554.41 U3.5@2224.41,3460.85
1SERVO3: J4.1 U3.6 | length 1133.5
  Top Layer w10: J4.1@1500,4100 1500,4080.32 1630.32,3950 1980,3950 1996,3934 1996,3741.64 2198.82,3538.82 U3.6@2198.82,3460.85
1SERVO4: J5.1 U3.7 | length 453
  Top Layer w10: J5.1@1900,3800 1900,3798.92 1931.75,3767.16 1932.84,3767.16 2173.23,3526.77 U3.7@2173.23,3460.85
1SERVO5: J6.1 U3.8 | length 842.9
  Top Layer w10: J6.1@1500,3800 1500,3780.32 1630.32,3650 1980.12,3650 2139.15,3490.97 U3.8@2139.15,3426.77
1SERVO6: J7.1 U3.9 | length 280.1
  Top Layer w10: J7.1@1900,3500 1980.24,3500 2079.06,3401.18 U3.9@2139.15,3401.18
1SERVO7: J8.1 U3.10 | length 702.2
  Top Layer w10: J8.1@1500,3500 1500,3480.32 1604.72,3375.59 U3.10@2139.15,3375.59
1SERVO8: J9.1 U3.12 | length 691.3
  Top Layer w10: J9.1@1500,3200 1500,3201.08 1531.75,3232.84 1532.84,3232.84 1624.41,3324.41 U3.12@2139.15,3324.41
1SERVO9: J10.1 U3.13 | length 280.1
  Top Layer w10: J10.1@1900,3200 1982.36,3200 2081.18,3298.82 U3.13@2139.15,3298.82
1SERVO10: J11.1 U3.14 | length 842.8
  Top Layer w10: J11.1@1500,2900 1500,2919.68 1630.32,3050 1980,3050 2139.15,3209.15 U3.14@2139.15,3273.23
1SERVO11: J12.1 U3.15 | length 499.2
  Top Layer w10: J12.1@1900,2900 1980,2900 2173.23,3093.23 U3.15@2173.23,3239.15
1SERVO12: J13.1 U3.16 | length 1133.5
  Top Layer w10: J13.1@1500,2600 1500,2619.68 1630.32,2750 1980,2750 2198.82,2968.82 U3.16@2198.82,3239.15